# Allegro board S071AA-0413-20260427_Power3.brd (continued)
## Routing (per net, layer and track width the routed paths; a pad name or vN(x,y) marks a point on that pad's centre or on a via; arc(x,y) is an arc through that point) (continued)
; CSDPS226.C1 129,350.52 ; CSDPS226.C1 129.81,349.71 ; 195.04,388.62 D116.B4 ; D116.B4 195.85,387.81 ; D116.B4 195.85,389.43 ; D116.B4 196.66,388.62 ; UHC430.G1_2 16.88,366.26 ; UHC430.G1_2 16.07,365.45 ; UHC430.G1_2 17.69,365.45 ; UHC430.G1_2 16.88,364.64 ; D432.A16 18.05,404.67 ; D432.A16 18.86,403.86 ; D432.A16 17.24,403.86 ; D432.A16 18.05,403.05 ; D123.A15 124.73,54.15 ; D123.A15 125.54,53.34 ; D123.A15 123.92,53.34 ; D123.A15 124.73,52.53 ; D106.A3 242.38,73.66 ; D106.A3 240.76,73.66 ; D106.A3 241.57,72.85 ; D106.A3 241.57,74.47 ; D113.A5 193.31,336.09 ; D113.A5 192.5,335.28 ; D113.A5 194.12,335.28 ; D113.A5 193.31,334.47 ; UHC430.G2 47.49,361.95 ; UHC430.G2 46.68,361.14 ; UHC430.G2 46.68,362.76 ; UHC430.G2 45.87,361.95 ; D102.B14 196.66,81.28 ; D102.B14 195.04,81.28 ; D102.B14 195.85,80.47 ; D102.B14 195.85,82.09 ; 187.42,355.6 D114.A7 ; D114.A7 188.23,354.79 ; D114.A7 189.04,355.6 ; D114.A7 188.23,356.41 ; 33.29,34.75 D120.A8 ; D120.A8 33.29,36.37 ; D120.A8 34.1,35.56 ; D120.A8 32.48,35.56 ; D105.A10 260.16,96.52 ; D105.A10 259.35,95.71 ; D105.A10 259.35,97.33 ; D105.A10 258.54,96.52 ; D109.A10 255.08,332.74 ; D109.A10 254.27,331.93 ; D109.A10 254.27,333.55 ; D109.A10 253.46,332.74 ; 165.37,39.83 D104.B2 ; D104.B2 166.18,40.64 ; D104.B2 165.37,41.45 ; D104.B2 164.56,40.64 ; 200.93,39.83 D104.B16 ; D104.B16 200.12,40.64 ; D104.B16 201.74,40.64 ; D104.B16 200.93,41.45 ; 266.16,53.34 D107.A13 ; D107.A13 267.78,53.34 ; D107.A13 266.97,52.53 ; D107.A13 266.97,54.15 ; 238.22,35.56 D108.A2 ; D108.A2 239.03,34.75 ; D108.A2 239.84,35.56 ; D108.A2 239.03,36.37 ; D112.B9 257.62,391.16 ; D112.B9 256.81,390.35 ; D112.B9 256.81,391.97 ; D112.B9 256,391.16 ; CSDPS425.B10 106.95,343.71 ; CSDPS425.B10 106.14,342.9 ; CSDPS425.B10 106.95,342.09 ; CSDPS425.B10 107.76,342.9 ; 22.32,393.7 D232.A14 ; D232.A14 23.13,394.51 ; D232.A14 23.13,392.89 ; D232.A14 23.94,393.7 ; 48.17,351.79 UHC230.G3_6 ; UHC230.G3_6 48.98,352.6 ; UHC230.G3_6 49.79,351.79 ; UHC230.G3_6 48.98,350.98 ; 235.68,58.42 D107.B1 ; D107.B1 237.3,58.42 ; D107.B1 236.49,57.61 ; D107.B1 236.49,59.23 ; 274.59,331.93 D109.A2 ; D109.A2 274.59,333.55 ; D109.A2 273.78,332.74 ; D109.A2 275.4,332.74 ; 106.95,377.65 D427.B10 ; D427.B10 106.14,378.46 ; D427.B10 107.76,378.46 ; D427.B10 106.95,379.27 ; 104.41,32.21 D124.A7 ; D124.A7 103.6,33.02 ; D124.A7 104.41,33.83 ; D124.A7 105.22,33.02 ; D228.B12 101.87,389.43 ; D228.B12 102.68,388.62 ; D228.B12 101.87,387.81 ; D228.B12 101.06,388.62 ; D110.A11 252.54,355.6 ; D110.A11 250.92,355.6 ; D110.A11 251.73,356.41 ; D110.A11 251.73,354.79 ; D108.A7 251.73,33.83 ; D108.A7 250.92,33.02 ; D108.A7 251.73,32.21 ; D108.A7 252.54,33.02 ; 116.3,76.2 D122.A12 ; D122.A12 117.11,75.39 ; D122.A12 117.11,77.01 ; D122.A12 117.92,76.2 ; 245.84,93.98 D105.A5 ; D105.A5 247.46,93.98 ; D105.A5 246.65,93.17 ; D105.A5 246.65,94.79 ; 48.53,397.97 D432.B4 ; D432.B4 47.72,398.78 ; D432.B4 48.53,399.59 ; D432.B4 49.34,398.78 ; 271.24,396.24 D112.A3 ; D112.A3 272.86,396.24 ; D112.A3 272.05,397.05 ; D112.A3 272.05,395.43 ; 29.94,58.42 D119.B7 ; D119.B7 30.75,59.23 ; D119.B7 30.75,57.61 ; D119.B7 31.56,58.42 ; 42.64,398.78 D432.B6 ; D432.B6 44.26,398.78 ; D432.B6 43.45,399.59 ; D432.B6 43.45,397.97 ; D113.B13 172.99,331.01 ; D113.B13 172.99,329.39 ; D113.B13 173.8,330.2 ; D113.B13 172.18,330.2 ; D231.B12 29.02,368.3 ; D231.B12 28.21,367.49 ; D231.B12 28.21,369.11 ; D231.B12 27.4,368.3 ; D105.B6 249.19,102.41 ; D105.B6 249.19,100.79 ; D105.B6 250,101.6 ; D105.B6 248.38,101.6 ; 169.64,368.3 D115.B14 ; D115.B14 170.45,369.11 ; D115.B14 171.26,368.3 ; D115.B14 170.45,367.49 ; D107.B7 252.54,58.42 ; D107.B7 251.73,59.23 ; D107.B7 251.73,57.61 ; D107.B7 250.92,58.42 ; D106.A2 239.03,77.01 ; D106.A2 239.03,75.39 ; D106.A2 239.84,76.2 ; D106.A2 238.22,76.2 ; D428.B14 96.79,399.59 ; D428.B14 96.79,397.97 ; D428.B14 97.6,398.78 ; D428.B14 95.98,398.78 ; D432.B9 35.83,402.13 ; D432.B9 36.64,401.32 ; D432.B9 35.83,400.51 ; D432.B9 35.02,401.32 ; 116.3,81.28 D122.B12 ; D122.B12 117.92,81.28 ; D122.B12 117.11,80.47 ; D122.B12 117.11,82.09 ; 121.38,81.28 D122.B14 ; D122.B14 122.19,80.47 ; D122.B14 122.19,82.09 ; D122.B14 123,81.28 ; 104.41,395.43 D228.A11 ; D228.A11 104.41,397.05 ; D228.A11 105.22,396.24 ; D228.A11 103.6,396.24 ; 17.22,353.54 UHC230.G4_4 ; UHC230.G4_4 18.84,353.54 ; UHC230.G4_4 18.03,354.35 ; UHC230.G4_4 18.03,352.73 ; 250.92,38.1 D108.B7 ; D108.B7 251.73,38.91 ; D108.B7 251.73,37.29 ; D108.B7 252.54,38.1 ; 48.98,361.14 UHC430.G2_6 ; UHC430.G2_6 49.79,361.95 ; UHC430.G2_6 48.17,361.95 ; UHC430.G2_6 48.98,362.76 ; 187.42,58.42 D103.B11 ; D103.B11 189.04,58.42 ; D103.B11 188.23,57.61 ; D103.B11 188.23,59.23 ; 98.52,360.68 CSDPS426.C13 ; CSDPS426.C13 99.33,359.87 ; CSDPS426.C13 99.33,361.49 ; CSDPS426.C13 100.14,360.68 ; 117.11,55.07 D123.A12 ; D123.A12 117.11,56.69 ; D123.A12 117.92,55.88 ; D123.A12 116.3,55.88 ; 42.64,60.96 D119.B12 ; D119.B12 43.45,61.77 ; D119.B12 43.45,60.15 ; D119.B12 44.26,60.96 ; 47.72,35.56 D120.A14 ; D120.A14 48.53,34.75 ; D120.A14 48.53,36.37 ; D120.A14 49.34,35.56 ; 266.16,391.16 D112.B5 ; D112.B5 266.97,390.35 ; D112.B5 266.97,391.97 ; D112.B5 267.78,391.16 ; D109.A12 250,332.74 ; D109.A12 249.19,333.55 ; D109.A12 248.38,332.74 ; D109.A12 249.19,331.93 ; D106.B7 251.73,79.55 ; D106.B7 251.73,77.93 ; D106.B7 252.54,78.74 ; D106.B7 250.92,78.74 ; D119.A6 29.02,55.88 ; D119.A6 28.21,56.69 ; D119.A6 28.21,55.07 ; D119.A6 27.4,55.88 ; D111.A10 255.08,373.38 ; D111.A10 253.46,373.38 ; D111.A10 254.27,374.19 ; D111.A10 254.27,372.57 ; 124.73,395.43 D228.A3 ; D228.A3 125.54,396.24 ; D228.A3 124.73,397.05 ; D228.A3 123.92,396.24 ; 172.18,396.24 D116.A13 ; D116.A13 172.99,397.05 ; D116.A13 173.8,396.24 ; D116.A13 172.99,395.43 ; CSDPS225.B10 107.76,332.74 ; CSDPS225.B10 106.95,331.93 ; CSDPS225.B10 106.14,332.74 ; CSDPS225.B10 106.95,333.55 ; UHC430.G2_13 45.19,358.45 ; UHC430.G2_13 44.38,359.26 ; UHC430.G2_13 44.38,357.64 ; UHC430.G2_13 43.57,358.45 ; D228.B4 122.19,389.43 ; D228.B4 121.38,388.62 ; D228.B4 122.19,387.81 ; D228.B4 123,388.62 ; D231.A4 49.34,373.38 ; D231.A4 48.53,374.19 ; D231.A4 47.72,373.38 ; D231.A4 48.53,372.57 ; CSDPS429.B4 49.34,342.9 ; CSDPS429.B4 47.72,342.9 ; CSDPS429.B4 48.53,342.09 ; CSDPS429.B4 48.53,343.71 ; D103.B1 163.64,58.42 ; D103.B1 162.02,58.42 ; D103.B1 162.83,57.61 ; D103.B1 162.83,59.23 ; 251.73,98.25 D105.B7 ; D105.B7 250.92,99.06 ; D105.B7 251.73,99.87 ; D105.B7 252.54,99.06 ; 119.65,77.93 D122.B13 ; D122.B13 118.84,78.74 ; D122.B13 120.46,78.74 ; D122.B13 119.65,79.55 ; 256,396.24 D112.A9 ; D112.A9 257.62,396.24 ; D112.A9 256.81,397.05 ; D112.A9 256.81,395.43 ; D427.B9 109.49,381.81 ; D427.B9 110.3,381 ; D427.B9 108.68,381 ; D427.B9 109.49,380.19 ; D431.A8 38.37,384.35 ; D431.A8 37.56,383.54 ; D431.A8 39.18,383.54 ; D431.A8 38.37,382.73 ; 104.41,37.29 D124.B7 ; D124.B7 105.22,38.1 ; D124.B7 103.6,38.1 ; D124.B7 104.41,38.91 ; D428.B17 89.98,401.32 ; D428.B17 89.17,400.51 ; D428.B17 88.36,401.32 ; D428.B17 89.17,402.13 ; 126.46,393.7 D228.A2 ; D228.A2 127.27,394.51 ; D228.A2 127.27,392.89 ; D228.A2 128.08,393.7 ; D102.B15 198.39,79.55 ; D102.B15 199.2,78.74 ; D102.B15 198.39,77.93 ; D102.B15 197.58,78.74 ; 182.34,396.24 D116.A9 ; D116.A9 183.15,397.05 ; D116.A9 183.96,396.24 ; D116.A9 183.15,395.43 ; 116.3,332.74 CSDPS225.B6 ; CSDPS225.B6 117.92,332.74 ; CSDPS225.B6 117.11,333.55 ; CSDPS225.B6 117.11,331.93 ; D102.A6 175.53,77.01 ; D102.A6 175.53,75.39 ; D102.A6 174.72,76.2 ; D102.A6 176.34,76.2 ; D107.A15 272.86,53.34 ; D107.A15 271.24,53.34 ; D107.A15 272.05,54.15 ; D107.A15 272.05,52.53 ; 17.22,363.7 UHC430.G1_4 ; UHC430.G1_4 18.03,364.51 ; UHC430.G1_4 18.03,362.89 ; UHC430.G1_4 18.84,363.7 ; UHC430.G2_9 47.83,361.01 ; UHC430.G2_9 47.83,359.39 ; UHC430.G2_9 47.02,360.2 ; UHC430.G2_9 48.64,360.2 ; D121.B7 105.22,99.06 ; D121.B7 103.6,99.06 ; D121.B7 104.41,98.25 ; D121.B7 104.41,99.87 ; D428.A5 119.65,407.21 ; D428.A5 118.84,406.4 ; D428.A5 119.65,405.59 ; D428.A5 120.46,406.4 ; 48.53,367.49 D231.B4 ; D231.B4 47.72,368.3 ; D231.B4 49.34,368.3 ; D231.B4 48.53,369.11 ; D114.A8 186.5,353.06 ; D114.A8 185.69,353.87 ; D114.A8 185.69,352.25 ; D114.A8 184.88,353.06 ; D109.A5 266.97,336.09 ; D109.A5 266.97,334.47 ; D109.A5 267.78,335.28 ; D109.A5 266.16,335.28 ; 261.89,375.11 D111.A7 ; D111.A7 261.89,376.73 ; D111.A7 262.7,375.92 ; D111.A7 261.08,375.92 ; D432.A5 46.8,406.4 ; D432.A5 45.99,407.21 ; D432.A5 45.18,406.4 ; D432.A5 45.99,405.59 ; D119.B1 16.32,58.42 ; D119.B1 15.51,57.61 ; D119.B1 14.7,58.42 ; D119.B1 15.51,59.23 ; D116.A7 188.23,397.05 ; D116.A7 189.04,396.24 ; D116.A7 188.23,395.43 ; D116.A7 187.42,396.24 ; DPS1.C15 272.05,19.86 ; DPS1.C15 271.24,19.05 ; DPS1.C15 272.05,18.24 ; DPS1.C15 272.86,19.05 ; 106.14,373.38 D227.A10 ; D227.A10 106.95,372.57 ; D227.A10 107.76,373.38 ; D227.A10 106.95,374.19 ; 246.65,72.85 D106.A5 ; D106.A5 246.65,74.47 ; D106.A5 247.46,73.66 ; D106.A5 245.84,73.66 ; D231.B3 51.88,370.84 ; D231.B3 50.26,370.84 ; D231.B3 51.07,371.65 ; D231.B3 51.07,370.03 ; D227.B13 99.33,371.65 ; D227.B13 100.14,370.84 ; D227.B13 98.52,370.84 ; D227.B13 99.33,370.03 ; 180.61,367.49 D115.B10 ; D115.B10 181.42,368.3 ; D115.B10 180.61,369.11 ; D115.B10 179.8,368.3 ; 53.61,342.09 CSDPS429.B2 ; CSDPS429.B2 53.61,343.71 ; CSDPS429.B2 52.8,342.9 ; CSDPS429.B2 54.42,342.9 ; D123.A3 95.06,53.34 ; D123.A3 94.25,54.15 ; D123.A3 93.44,53.34 ; D123.A3 94.25,52.53 ; D121.B12 117.92,101.6 ; D121.B12 116.3,101.6 ; D121.B12 117.11,100.79 ; D121.B12 117.11,102.41 ; D113.A9 183.96,335.28 ; D113.A9 182.34,335.28 ; D113.A9 183.15,336.09 ; D113.A9 183.15,334.47 ; 103.6,93.98 D121.A7 ; D121.A7 105.22,93.98 ; D121.A7 104.41,93.17 ; D121.A7 104.41,94.79 ; D427.B12 102.68,378.46 ; D427.B12 101.87,379.27 ; D427.B12 101.06,378.46 ; D427.B12 101.87,377.65 ; 90.9,373.38 D227.A16 ; D227.A16 91.71,372.57 ; D227.A16 92.52,373.38 ; D227.A16 91.71,374.19 ; 89.17,375.11 D227.A17 ; D227.A17 88.36,375.92 ; D227.A17 89.17,376.73 ; D227.A17 89.98,375.92 ; 271.24,93.98 D105.A15 ; D105.A15 272.05,93.17 ; D105.A15 272.05,94.79 ; D105.A15 272.86,93.98 ; 197.58,53.34 D103.A15 ; D103.A15 198.39,52.53 ; D103.A15 198.39,54.15 ; D103.A15 199.2,53.34 ; D103.A16 200.93,56.69 ; D103.A16 200.93,55.07 ; D103.A16 201.74,55.88 ; D103.A16 200.12,55.88 ; 245.84,58.42 D107.B5 ; D107.B5 247.46,58.42 ; D107.B5 246.65,59.23 ; D107.B5 246.65,57.61 ; 121.38,96.52 D121.A14 ; D121.A14 123,96.52 ; D121.A14 122.19,97.33 ; D121.A14 122.19,95.71 ; D124.A9 109.49,33.83 ; D124.A9 108.68,33.02 ; D124.A9 110.3,33.02 ; D124.A9 109.49,32.21 ; 42.64,393.7 D232.A6 ; D232.A6 43.45,394.51 ; D232.A6 43.45,392.89 ; D232.A6 44.26,393.7 ; 40.91,395.43 D232.A7 ; D232.A7 40.1,396.24 ; D232.A7 41.72,396.24 ; D232.A7 40.91,397.05 ; UHC430.G2_8 45.19,361.95 ; UHC430.G2_8 43.57,361.95 ; UHC430.G2_8 44.38,362.76 ; UHC430.G2_8 44.38,361.14 ; 256,78.74 D106.B9 ; D106.B9 256.81,79.55 ; D106.B9 257.62,78.74 ; D106.B9 256.81,77.93 ; D232.A16 18.05,394.51 ; D232.A16 17.24,393.7 ; D232.A16 18.05,392.89 ; D232.A16 18.86,393.7 ; DPS2.C11 178.88,410.21 ; DPS2.C11 178.07,411.02 ; DPS2.C11 177.26,410.21 ; DPS2.C11 178.07,409.4 ; 246.65,52.53 D107.A5 ; D107.A5 245.84,53.34 ; D107.A5 247.46,53.34 ; D107.A5 246.65,54.15 ; D119.A8 33.29,56.69 ; D119.A8 33.29,55.07 ; D119.A8 32.48,55.88 ; D119.A8 34.1,55.88 ; 241.57,98.25 D105.B3 ; D105.B3 240.76,99.06 ; D105.B3 242.38,99.06 ; D105.B3 241.57,99.87 ; 193.31,414.48 DPS2.A05 ; DPS2.A05 192.5,415.29 ; DPS2.A05 193.31,416.1 ; DPS2.A05 194.12,415.29 ; D432.B2 54.42,398.78 ; D432.B2 52.8,398.78 ; D432.B2 53.61,397.97 ; D432.B2 53.61,399.59 ; D114.B16 166.18,347.98 ; D114.B16 165.37,348.79 ; D114.B16 164.56,347.98 ; D114.B16 165.37,347.17 ; 240.76,33.02 D108.A3 ; D108.A3 242.38,33.02 ; D108.A3 241.57,32.21 ; D108.A3 241.57,33.83 ; D112.A7 262.7,396.24 ; D112.A7 261.89,397.05 ; D112.A7 261.08,396.24 ; D112.A7 261.89,395.43 ; 52.8,35.56 D120.A16 ; D120.A16 54.42,35.56 ; D120.A16 53.61,34.75 ; D120.A16 53.61,36.37 ; 37.56,373.38 D231.A8 ; D231.A8 38.37,374.19 ; D231.A8 39.18,373.38 ; D231.A8 38.37,372.57 ; D109.A7 262.7,335.28 ; D109.A7 261.08,335.28 ; D109.A7 261.89,336.09 ; D109.A7 261.89,334.47 ; D109.A14 244.11,333.55 ; D109.A14 244.92,332.74 ; D109.A14 244.11,331.93 ; D109.A14 243.3,332.74 ; 172.18,335.28 D113.A13 ; D113.A13 173.8,335.28 ; D113.A13 172.99,334.47 ; D113.A13 172.99,336.09 ; 56.15,329.39 CSDPS229.C1 ; CSDPS229.C1 56.15,331.01 ; CSDPS229.C1 56.96,330.2 ; CSDPS229.C1 55.34,330.2 ; 45.18,381 D431.B5 ; D431.B5 45.99,380.19 ; D431.B5 46.8,381 ; D431.B5 45.99,381.81 ; D111.B13 246.65,371.65 ; D111.B13 245.84,370.84 ; D111.B13 247.46,370.84 ; D111.B13 246.65,370.03 ; 19.78,73.66 D118.A3 ; D118.A3 21.4,73.66 ; D118.A3 20.59,74.47 ; D118.A3 20.59,72.85 ; 113.76,330.2 CSDPS225.C7 ; CSDPS225.C7 114.57,329.39 ; CSDPS225.C7 115.38,330.2 ; CSDPS225.C7 114.57,331.01 ; UHC230.G3_2 46.68,356.1 ; UHC230.G3_2 46.68,354.48 ; UHC230.G3_2 47.49,355.29 ; UHC230.G3_2 45.87,355.29 ; 250.92,330.2 D109.B11 ; D109.B11 252.54,330.2 ; D109.B11 251.73,329.39 ; D109.B11 251.73,331.01 ; 200.93,80.47 D102.B16 ; D102.B16 200.93,82.09 ; D102.B16 201.74,81.28 ; D102.B16 200.12,81.28 ; CSDPS226.C15 95.06,350.52 ; CSDPS226.C15 93.44,350.52 ; CSDPS226.C15 94.25,351.33 ; CSDPS226.C15 94.25,349.71 ; 119.65,32.21 D124.A13 ; D124.A13 118.84,33.02 ; D124.A13 119.65,33.83 ; D124.A13 120.46,33.02 ; D431.A10 33.29,384.35 ; D431.A10 33.29,382.73 ; D431.A10 34.1,383.54 ; D431.A10 32.48,383.54 ; 256.81,57.61 D107.B9 ; D107.B9 256,58.42 ; D107.B9 257.62,58.42 ; D107.B9 256.81,59.23 ; 19.78,401.32 D432.B15 ; D432.B15 20.59,402.13 ; D432.B15 20.59,400.51 ; D432.B15 21.4,401.32 ; D110.B10 255.08,347.98 ; D110.B10 254.27,347.17 ; D110.B10 254.27,348.79 ; D110.B10 253.46,347.98 ; D431.A16 18.05,384.35 ; D431.A16 18.05,382.73 ; D431.A16 18.86,383.54 ; D431.A16 17.24,383.54 ; D114.B8 185.69,348.79 ; D114.B8 185.69,347.17 ; D114.B8 186.5,347.98 ; D114.B8 184.88,347.98 ; 108.68,38.1 D124.B9 ; D124.B9 109.49,38.91 ; D124.B9 110.3,38.1 ; D124.B9 109.49,37.29 ; 124.73,400.51 D428.B3 ; D428.B3 123.92,401.32 ; D428.B3 124.73,402.13 ; D428.B3 125.54,401.32 ; D232.A12 28.21,394.51 ; D232.A12 28.21,392.89 ; D232.A12 27.4,393.7 ; D232.A12 29.02,393.7 ; D121.A3 94.25,94.79 ; D121.A3 94.25,93.17 ; D121.A3 95.06,93.98 ; D121.A3 93.44,93.98 ; 114.57,93.17 D121.A11 ; D121.A11 114.57,94.79 ; D121.A11 115.38,93.98 ; D121.A11 113.76,93.98 ; D105.B4 244.11,102.41 ; D105.B4 244.11,100.79 ; D105.B4 243.3,101.6 ; D105.B4 244.92,101.6 ; D103.A2 165.37,56.69 ; D103.A2 165.37,55.07 ; D103.A2 166.18,55.88 ; D103.A2 164.56,55.88 ; 266.97,349.71 D110.B5 ; D110.B5 266.16,350.52 ; D110.B5 267.78,350.52 ; D110.B5 266.97,351.33 ; D102.A12 190.77,77.01 ; D102.A12 190.77,75.39 ; D102.A12 191.58,76.2 ; D102.A12 189.96,76.2 ; D113.A1 204.28,335.28 ; D113.A1 203.47,334.47 ; D113.A1 203.47,336.09 ; D113.A1 202.66,335.28 ; D431.B6 44.26,378.46 ; D431.B6 43.45,377.65 ; D431.B6 42.64,378.46 ; D431.B6 43.45,379.27 ; D112.B1 277.94,391.16 ; D112.B1 277.13,391.97 ; D112.B1 277.13,390.35 ; D112.B1 276.32,391.16 ; CSDPS226.B14 96.79,353.87 ; CSDPS226.B14 95.98,353.06 ; CSDPS226.B14 96.79,352.25 ; CSDPS226.B14 97.6,353.06 ; D113.A10 180.61,333.55 ; D113.A10 181.42,332.74 ; D113.A10 179.8,332.74 ; D113.A10 180.61,331.93 ; D107.B8 255.08,60.96 ; D107.B8 253.46,60.96 ; D107.B8 254.27,61.77 ; D107.B8 254.27,60.15 ; D121.B2 92.52,101.6 ; D121.B2 90.9,101.6 ; D121.B2 91.71,100.79 ; D121.B2 91.71,102.41 ; 119.65,52.53 D123.A13 ; D123.A13 118.84,53.34 ; D123.A13 119.65,54.15 ; D123.A13 120.46,53.34 ; UHC430.G1_10 16.54,360.2 ; UHC430.G1_10 15.73,359.39 ; UHC430.G1_10 14.92,360.2 ; UHC430.G1_10 15.73,361.01 ; D111.B10 254.27,369.11 ; D111.B10 253.46,368.3 ; D111.B10 255.08,368.3 ; D111.B10 254.27,367.49 ; 251.73,390.35 D112.B11 ; D112.B11 250.92,391.16 ; D112.B11 251.73,391.97 ; D112.B11 252.54,391.16 ; D108.B6 250,40.64 ; D108.B6 249.19,41.45 ; D108.B6 249.19,39.83 ; D108.B6 248.38,40.64 ; D432.A13 25.67,407.21 ; D432.A13 26.48,406.4 ; D432.A13 25.67,405.59 ; D432.A13 24.86,406.4 ; 95.98,81.28 D122.B4 ; D122.B4 97.6,81.28 ; D122.B4 96.79,80.47 ; D122.B4 96.79,82.09 ; 43.45,34.75 D120.A12 ; D120.A12 43.45,36.37 ; D120.A12 42.64,35.56 ; D120.A12 44.26,35.56 ; 51.07,57.61 D119.B15 ; D119.B15 50.26,58.42 ; D119.B15 51.07,59.23 ; D119.B15 51.88,58.42 ; 113.76,375.92 D227.A7 ; D227.A7 115.38,375.92 ; D227.A7 114.57,375.11 ; D227.A7 114.57,376.73 ; 99.33,37.29 D124.B5 ; D124.B5 99.33,38.91 ; D124.B5 100.14,38.1 ; D124.B5 98.52,38.1 ; D109.B13 247.46,330.2 ; D109.B13 245.84,330.2 ; D109.B13 246.65,331.01 ; D109.B13 246.65,329.39 ; D113.B15 167.91,331.01 ; D113.B15 167.1,330.2 ; D113.B15 167.91,329.39 ; D113.B15 168.72,330.2 ; 96.79,331.93 CSDPS225.B14 ; CSDPS225.B14 96.79,333.55 ; CSDPS225.B14 95.98,332.74 ; CSDPS225.B14 97.6,332.74 ; D124.B6 102.68,40.64 ; D124.B6 101.87,41.45 ; D124.B6 101.87,39.83 ; D124.B6 101.06,40.64 ; D119.B2 18.86,60.96 ; D119.B2 18.05,60.15 ; D119.B2 17.24,60.96 ; D119.B2 18.05,61.77 ; D116.B9 183.15,391.97 ; D116.B9 183.15,390.35 ; D116.B9 182.34,391.16 ; D116.B9 183.96,391.16 ; D107.A11 262.7,53.34 ; D107.A11 261.08,53.34 ; D107.A11 261.89,52.53 ; D107.A11 261.89,54.15 ; 113.76,58.42 D123.B11 ; D123.B11 114.57,57.61 ; D123.B11 115.38,58.42 ; D123.B11 114.57,59.23 ; D113.A12 175.53,333.55 ; D113.A12 176.34,332.74 ; D113.A12 175.53,331.93 ; D113.A12 174.72,332.74 ; 32.48,403.86 D432.A10 ; D432.A10 33.29,404.67 ; D432.A10 34.1,403.86 ; D432.A10 33.29,403.05 ; CSDPS429.B12 29.02,342.9 ; CSDPS429.B12 28.21,343.71 ; CSDPS429.B12 27.4,342.9 ; CSDPS429.B12 28.21,342.09 ; D228.B9 110.3,391.16 ; D228.B9 108.68,391.16 ; D228.B9 109.49,391.97 ; D228.B9 109.49,390.35 ; D113.B10 181.42,327.66 ; D113.B10 180.61,326.85 ; D113.B10 180.61,328.47 ; D113.B10 179.8,327.66 ; D115.A9 183.96,375.92 ; D115.A9 183.15,375.11 ; D115.A9 183.15,376.73 ; D115.A9 182.34,375.92 ; D103.A12 190.77,56.69 ; D103.A12 189.96,55.88 ; D103.A12 191.58,55.88 ; D103.A12 190.77,55.07 ; D114.B12 175.53,348.79 ; D114.B12 176.34,347.98 ; D114.B12 175.53,347.17 ; D114.B12 174.72,347.98 ; D427.A6 117.92,383.54 ; D427.A6 117.11,384.35 ; D427.A6 117.11,382.73 ; D427.A6 116.3,383.54 ; 258.54,393.7 D112.A8 ; D112.A8 259.35,392.89 ; D112.A8 260.16,393.7 ; D112.A8 259.35,394.51 ; D114.B3 198.39,351.33 ; D114.B3 198.39,349.71 ; D114.B3 197.58,350.52 ; D114.B3 199.2,350.52 ; 25.67,380.19 D431.B13 ; D431.B13 26.48,381 ; D431.B13 25.67,381.81 ; D431.B13 24.86,381 ; D108.B3 241.57,38.91 ; D108.B3 241.57,37.29 ; D108.B3 242.38,38.1 ; D108.B3 240.76,38.1 ; 200.93,372.57 D115.A2 ; D115.A2 200.93,374.19 ; D115.A2 201.74,373.38 ; D115.A2 200.12,373.38 ; D228.B8 112.03,389.43 ; D228.B8 112.84,388.62 ; D228.B8 112.03,387.81 ; D228.B8 111.22,388.62 ; 37.56,342.9 CSDPS429.B8 ; CSDPS429.B8 39.18,342.9 ; CSDPS429.B8 38.37,343.71 ; CSDPS429.B8 38.37,342.09 ; D232.A1 56.15,397.05 ; D232.A1 56.96,396.24 ; D232.A1 55.34,396.24 ; D232.A1 56.15,395.43 ; 47.02,353.54 UHC230.G3_4 ; UHC230.G3_4 47.83,352.73 ; UHC230.G3_4 47.83,354.35 ; UHC230.G3_4 48.64,353.54 ; 106.95,39.83 D124.B8 ; D124.B8 107.76,40.64 ; D124.B8 106.95,41.45 ; D124.B8 106.14,40.64 ; 45.99,409.4 DPS8.C05 ; DPS8.C05 46.8,410.21 ; DPS8.C05 45.99,411.02 ; DPS8.C05 45.18,410.21 ; 240.76,53.34 D107.A3 ; D107.A3 241.57,54.15 ; D107.A3 241.57,52.53 ; D107.A3 242.38,53.34 ; 45.18,58.42 D119.B13 ; D119.B13 45.99,59.23 ; D119.B13 46.8,58.42 ; D119.B13 45.99,57.61 ; D427.A17 89.98,386.08 ; D427.A17 88.36,386.08 ; D427.A17 89.17,385.27 ; D427.A17 89.17,386.89 ; 254.27,75.39 D106.A8 ; D106.A8 254.27,77.01 ; D106.A8 253.46,76.2 ; D106.A8 255.08,76.2 ; D106.A10 260.16,76.2 ; D106.A10 258.54,76.2 ; D106.A10 259.35,75.39 ; D106.A10 259.35,77.01 ; D110.B4 270.32,347.98 ; D110.B4 269.51,347.17 ; D110.B4 269.51,348.79 ; D110.B4 268.7,347.98 ; 124.73,93.17 D121.A15 ; D121.A15 123.92,93.98 ; D121.A15 125.54,93.98 ; D121.A15 124.73,94.79 ; D102.A9 183.15,74.47 ; D102.A9 183.15,72.85 ; D102.A9 183.96,73.66 ; D102.A9 182.34,73.66 ; D111.B1 277.13,371.65 ; D111.B1 277.94,370.84 ; D111.B1 276.32,370.84 ; D111.B1 277.13,370.03 ; 261.08,355.6 D110.A7 ; D110.A7 262.7,355.6 ; D110.A7 261.89,354.79 ; D110.A7 261.89,356.41 ; 119.65,329.39 CSDPS225.C5 ; CSDPS225.C5 120.46,330.2 ; CSDPS225.C5 119.65,331.01 ; CSDPS225.C5 118.84,330.2 ; 114.57,380.19 D427.B7 ; D427.B7 115.38,381 ; D427.B7 114.57,381.81 ; D427.B7 113.76,381 ; D427.B3 125.54,381 ; D427.B3 124.73,381.81 ; D427.B3 123.92,381 ; D427.B3 124.73,380.19 ; 167.91,349.71 D114.B15 ; D114.B15 167.91,351.33 ; D114.B15 168.72,350.52 ; D114.B15 167.1,350.52 ; 51.07,37.29 D120.B15 ; D120.B15 51.07,38.91 ; D120.B15 50.26,38.1 ; D120.B15 51.88,38.1 ; D116.A14 170.45,394.51 ; D116.A14 171.26,393.7 ; D116.A14 170.45,392.89 ; D116.A14 169.64,393.7 ; D228.B2 128.08,388.62 ; D228.B2 127.27,387.81 ; D228.B2 127.27,389.43 ; D228.B2 126.46,388.62 ; 277.13,334.47 D109.A1 ; D109.A1 277.94,335.28 ; D109.A1 277.13,336.09 ; D109.A1 276.32,335.28 ; D122.B5 100.14,78.74 ; D122.B5 99.33,77.93 ; D122.B5 98.52,78.74 ; D122.B5 99.33,79.55 ; 22.32,368.3 D231.B14 ; D231.B14 23.13,367.49 ; D231.B14 23.94,368.3 ; D231.B14 23.13,369.11 ; UHC430.G2_1 49.79,365.45 ; UHC430.G2_1 48.98,364.64 ; UHC430.G2_1 48.98,366.26 ; UHC430.G2_1 48.17,365.45 ; D431.A12 28.21,384.35 ; D431.A12 27.4,383.54 ; D431.A12 29.02,383.54 ; D431.A12 28.21,382.73 ; 122.19,403.05 D428.A4 ; D428.A4 121.38,403.86 ; D428.A4 123,403.86 ; D428.A4 122.19,404.67 ; D431.B1 56.96,381 ; D431.B1 56.15,380.19 ; D431.B1 55.34,381 ; D431.B1 56.15,381.81 ; D110.B15 242.38,350.52 ; D110.B15 241.57,349.71 ; D110.B15 241.57,351.33 ; D110.B15 240.76,350.52 ; 266.16,93.98 D105.A13 ; D105.A13 267.78,93.98 ; D105.A13 266.97,94.79 ; D105.A13 266.97,93.17 ; 193.31,390.35 D116.B5 ; D116.B5 194.12,391.16 ; D116.B5 192.5,391.16 ; D116.B5 193.31,391.97 ; DPS8.A11 31.56,415.29 ; DPS8.A11 29.94,415.29 ; DPS8.A11 30.75,414.48 ; DPS8.A11 30.75,416.1 ; 89.17,380.19 D427.B17 ; D427.B17 89.17,381.81 ; D427.B17 89.98,381 ; D427.B17 88.36,381 ; D109.A15 242.38,335.28 ; D109.A15 241.57,334.47 ; D109.A15 240.76,335.28 ; D109.A15 241.57,336.09 ; 16.07,355.29 UHC230.G4_2 ; UHC230.G4_2 16.88,356.1 ; UHC230.G4_2 17.69,355.29 ; UHC230.G4_2 16.88,354.48 ; 167.91,77.93 D102.B3 ; D102.B3 168.72,78.74 ; D102.B3 167.1,78.74 ; D102.B3 167.91,79.55 ; D116.A4 195.85,394.51 ; D116.A4 196.66,393.7 ; D116.A4 195.04,393.7 ; D116.A4 195.85,392.89 ; 123.92,406.4 D428.A3 ; D428.A3 125.54,406.4 ; D428.A3 124.73,407.21 ; D428.A3 124.73,405.59 ; D109.B15 242.38,330.2 ; D109.B15 241.57,331.01 ; D109.B15 240.76,330.2 ; D109.B15 241.57,329.39 ; 23.13,382.73 D431.A14 ; D431.A14 23.13,384.35 ; D431.A14 23.94,383.54 ; D431.A14 22.32,383.54 ; 178.07,411.94 DPS2.B11 ; DPS2.B11 178.07,413.56 ; DPS2.B11 178.88,412.75 ; DPS2.B11 177.26,412.75 ; D427.B1 130.62,381 ; D427.B1 129,381 ; D427.B1 129.81,380.19 ; D427.B1 129.81,381.81 ; 20.59,375.11 D231.A15 ; D231.A15 20.59,376.73 ; D231.A15 21.4,375.92 ; D231.A15 19.78,375.92 ; D432.A12 29.02,403.86 ; D432.A12 27.4,403.86 ; D432.A12 28.21,404.67 ; D432.A12 28.21,403.05 ; 33.29,377.65 D431.B10 ; D431.B10 34.1,378.46 ; D431.B10 33.29,379.27 ; D431.B10 32.48,378.46 ; 16.88,350.98 UHC230.G4 ; UHC230.G4 16.07,351.79 ; UHC230.G4 17.69,351.79 ; UHC230.G4 16.88,352.6 ; 48.17,358.45 UHC430.G2_11 ; UHC430.G2_11 49.79,358.45 ; UHC430.G2_11 48.98,357.64 ; UHC430.G2_11 48.98,359.26 ; DPS8.A05 45.99,416.1 ; DPS8.A05 45.18,415.29 ; DPS8.A05 46.8,415.29 ; DPS8.A05 45.99,414.48 ; D116.A8 186.5,393.7 ; D116.A8 184.88,393.7 ; D116.A8 185.69,392.89 ; D116.A8 185.69,394.51 ; 177.26,375.92 D115.A11 ; D115.A11 178.88,375.92 ; D115.A11 178.07,376.73 ; D115.A11 178.07,375.11 ; D102.A2 165.37,77.01 ; D102.A2 164.56,76.2 ; D102.A2 165.37,75.39 ; D102.A2 166.18,76.2 ; D103.B4 170.45,61.77 ; D103.B4 169.64,60.96 ; D103.B4 170.45,60.15 ; D103.B4 171.26,60.96 ; 123.92,386.08 D427.A3 ; D427.A3 124.73,385.27 ; D427.A3 125.54,386.08 ; D427.A3 124.73,386.89 ; D105.B2 239.84,101.6 ; D105.B2 239.03,100.79 ; D105.B2 239.03,102.41 ; D105.B2 238.22,101.6 ; 32.48,60.96 D119.B8 ; D119.B8 33.29,60.15 ; D119.B8 33.29,61.77 ; D119.B8 34.1,60.96 ; 98.52,19.05 DPS3.C05 ; DPS3.C05 100.14,19.05 ; DPS3.C05 99.33,19.86 ; DPS3.C05 99.33,18.24 ; D232.B5 46.8,391.16 ; D232.B5 45.99,391.97 ; D232.B5 45.99,390.35 ; D232.B5 45.18,391.16 ; 111.22,353.06 CSDPS226.B8 ; CSDPS226.B8 112.84,353.06 ; CSDPS226.B8 112.03,353.87 ; CSDPS226.B8 112.03,352.25 ; 16.88,357.64 UHC430.G1_12 ; UHC430.G1_12 16.88,359.26 ; UHC430.G1_12 17.69,358.45 ; UHC430.G1_12 16.07,358.45 ; D114.A2 201.74,353.06 ; D114.A2 200.12,353.06 ; D114.A2 200.93,353.87 ; D114.A2 200.93,352.25 ; CSDPS425.B8 112.03,343.71 ; CSDPS425.B8 112.03,342.09 ; CSDPS425.B8 111.22,342.9 ; CSDPS425.B8 112.84,342.9 ; D120.B16 53.61,41.45 ; D120.B16 52.8,40.64 ; D120.B16 53.61,39.83 ; D120.B16 54.42,40.64 ; 29.94,386.08 D431.A11 ; D431.A11 30.75,386.89 ; D431.A11 31.56,386.08 ; D431.A11 30.75,385.27 ; CSDPS229.B12 28.21,333.55 ; CSDPS229.B12 28.21,331.93 ; CSDPS229.B12 27.4,332.74 ; CSDPS229.B12 29.02,332.74 ; D102.B1 163.64,78.74 ; D102.B1 162.83,79.55 ; D102.B1 162.83,77.93 ; D102.B1 162.02,78.74 ; D103.B7 178.88,58.42 ; D103.B7 178.07,57.61 ; D103.B7 177.26,58.42 ; D103.B7 178.07,59.23 ; 192.5,355.6 D114.A5 ; D114.A5 193.31,354.79 ; D114.A5 194.12,355.6 ; D114.A5 193.31,356.41 ; D108.B8 255.08,40.64 ; D108.B8 254.27,39.83 ; D108.B8 254.27,41.45 ; D108.B8 253.46,40.64 ; 167.1,355.6 D114.A15 ; D114.A15 168.72,355.6 ; D114.A15 167.91,356.41 ; D114.A15 167.91,354.79 ; D228.A6 117.92,393.7 ; D228.A6 117.11,394.51 ; D228.A6 117.11,392.89 ; D228.A6 116.3,393.7 ; D108.A1 236.49,33.83 ; D108.A1 236.49,32.21 ; D108.A1 237.3,33.02 ; D108.A1 235.68,33.02 ; 106.95,55.07 D123.A8 ; D123.A8 106.14,55.88 ; D123.A8 106.95,56.69 ; D123.A8 107.76,55.88 ; D432.A3 51.07,407.21 ; D432.A3 51.88,406.4 ; D432.A3 50.26,406.4 ; D432.A3 51.07,405.59 ; 40.1,53.34 D119.A11 ; D119.A11 40.91,52.53 ; D119.A11 41.72,53.34 ; D119.A11 40.91,54.15 ; 24.86,73.66 D118.A5 ; D118.A5 25.67,72.85 ; D118.A5 26.48,73.66 ; D118.A5 25.67,74.47 ; 55.34,410.21 DPS8.C01 ; DPS8.C01 56.96,410.21 ; DPS8.C01 56.15,409.4 ; DPS8.C01 56.15,411.02 ; D428.B6 117.92,398.78 ; D428.B6 116.3,398.78 ; D428.B6 117.11,399.59 ; D428.B6 117.11,397.97 ; D103.A14 195.85,56.69 ; D103.A14 195.85,55.07 ; D103.A14 196.66,55.88 ; D103.A14 195.04,55.88 ; 167.1,58.42 D103.B3 ; D103.B3 168.72,58.42 ; D103.B3 167.91,57.61 ; D103.B3 167.91,59.23 ; D104.A4 170.45,36.37 ; D104.A4 170.45,34.75 ; D104.A4 171.26,35.56 ; D104.A4 169.64,35.56 ; CSDPS225.B4 122.19,333.55 ; CSDPS225.B4 123,332.74 ; CSDPS225.B4 122.19,331.93 ; CSDPS225.B4 121.38,332.74 ; 42.64,368.3 D231.B6 ; D231.B6 44.26,368.3 ; D231.B6 43.45,369.11 ; D231.B6 43.45,367.49 ; D112.A14 244.92,393.7 ; D112.A14 243.3,393.7 ; D112.A14 244.11,394.51 ; D112.A14 244.11,392.89 ; D120.A7 30.75,33.83 ; D120.A7 30.75,32.21 ; D120.A7 29.94,33.02 ; D120.A7 31.56,33.02 ; D106.A13 267.78,73.66 ; D106.A13 266.16,73.66 ; D106.A13 266.97,72.85 ; D106.A13 266.97,74.47 ; 99.33,93.17 D121.A5 ; D121.A5 100.14,93.98 ; D121.A5 99.33,94.79 ; D121.A5 98.52,93.98 ; D119.B14 48.53,61.77 ; D119.B14 49.34,60.96 ; D119.B14 48.53,60.15 ; D119.B14 47.72,60.96 ; 20.59,409.4 DPS8.C15 ; DPS8.C15 19.78,410.21 ; DPS8.C15 20.59,411.02 ; DPS8.C15 21.4,410.21 ; 188.23,32.21 D104.A11 ; D104.A11 189.04,33.02 ; D104.A11 188.23,33.83 ; D104.A11 187.42,33.02 ; D427.B4 122.19,379.27 ; D427.B4 122.19,377.65 ; D427.B4 121.38,378.46 ; D427.B4 123,378.46 ; 91.71,342.09 CSDPS425.B16 ; CSDPS425.B16 92.52,342.9 ; CSDPS425.B16 91.71,343.71 ; CSDPS425.B16 90.9,342.9 ; 45.87,365.45 UHC430.G2_2 ; UHC430.G2_2 47.49,365.45 ; UHC430.G2_2 46.68,366.26 ; UHC430.G2_2 46.68,364.64 ; D120.A5 25.67,33.83 ; D120.A5 25.67,32.21 ; D120.A5 24.86,33.02 ; D120.A5 26.48,33.02 ; D114.A13 172.99,356.41 ; D114.A13 172.99,354.79 ; D114.A13 173.8,355.6 ; D114.A13 172.18,355.6 ; 191.58,96.52 D101.A12 190.77,95.71 ; D109.B7 262.7,330.2 ; D109.B7 261.89,329.39 ; D109.B7 261.89,331.01 ; D109.B7 261.08,330.2 ; 33.29,367.49 D231.B10 ; D231.B10 32.48,368.3 ; D231.B10 34.1,368.3 ; D231.B10 33.29,369.11 ; CSDPS229.B2 54.42,332.74 ; CSDPS229.B2 53.61,331.93 ; CSDPS229.B2 52.8,332.74 ; CSDPS229.B2 53.61,333.55 ; D432.A14 23.13,404.67 ; D432.A14 23.94,403.86 ; D432.A14 23.13,403.05 ; D432.A14 22.32,403.86 ; D104.A7 178.88,33.02 ; D104.A7 177.26,33.02 ; D104.A7 178.07,33.83 ; D104.A7 178.07,32.21 ; 111.22,378.46 D427.B8 ; D427.B8 112.84,378.46 ; D427.B8 112.03,379.27 ; D427.B8 112.03,377.65 ; 195.85,34.75 D104.A14 ; D104.A14 195.85,36.37 ; D104.A14 195.04,35.56 ; D104.A14 196.66,35.56 ; D103.B13 193.31,59.23 ; D103.B13 193.31,57.61 ; D103.B13 192.5,58.42 ; D103.B13 194.12,58.42 ; CSDPS226.C7 114.57,351.33 ; CSDPS226.C7 113.76,350.52 ; CSDPS226.C7 114.57,349.71 ; CSDPS226.C7 115.38,350.52 ; D431.A17 16.32,386.08 ; D431.A17 15.51,385.27 ; D431.A17 14.7,386.08 ; D431.A17 15.51,386.89 ; D104.A8 180.61,36.37 ; D104.A8 181.42,35.56 ; D104.A8 180.61,34.75 ; D104.A8 179.8,35.56 ; 175.53,392.89 D116.A12 ; D116.A12 174.72,393.7 ; D116.A12 176.34,393.7 ; D116.A12 175.53,394.51 ; 55.34,406.4 D432.A1 ; D432.A1 56.15,405.59 ; D432.A1 56.96,406.4 ; D432.A1 56.15,407.21 ; DPS2.B15 168.72,412.75 ; DPS2.B15 167.91,413.56 ; DPS2.B15 167.91,411.94 ; DPS2.B15 167.1,412.75 ; 126.46,81.28 D122.B16 ; D122.B16 128.08,81.28 ; D122.B16 127.27,80.47 ; D122.B16 127.27,82.09 ; D102.A5 172.99,74.47 ; D102.A5 172.99,72.85 ; D102.A5 173.8,73.66 ; D102.A5 172.18,73.66 ; 55.34,375.92 D231.A1 ; D231.A1 56.15,375.11 ; D231.A1 56.15,376.73 ; D231.A1 56.96,375.92 ; D111.B7 262.7,370.84 ; D111.B7 261.89,371.65 ; D111.B7 261.89,370.03 ; D111.B7 261.08,370.84 ; 23.13,377.65 D431.B14 ; D431.B14 23.13,379.27 ; D431.B14 22.32,378.46 ; D431.B14 23.94,378.46 ; D103.A5 173.8,53.34 ; D103.A5 172.18,53.34 ; D103.A5 172.99,52.53 ; D103.A5 172.99,54.15 ; D102.B13 193.31,79.55 ; D102.B13 194.12,78.74 ; D102.B13 193.31,77.93 ; D102.B13 192.5,78.74 ; D121.B9 109.49,99.87 ; D121.B9 109.49,98.25 ; D121.B9 110.3,99.06 ; D121.B9 108.68,99.06 ; D122.A13 120.46,73.66 ; D122.A13 119.65,74.47 ; D122.A13 118.84,73.66 ; D122.A13 119.65,72.85 ; 264.43,331.93 D109.A6 ; D109.A6 263.62,332.74 ; D109.A6 265.24,332.74 ; D109.A6 264.43,333.55 ; 167.1,375.92 D115.A15 ; D115.A15 167.91,376.73 ; D115.A15 168.72,375.92 ; D115.A15 167.91,375.11 ; D227.A5 120.46,375.92 ; D227.A5 119.65,375.11 ; D227.A5 118.84,375.92 ; D227.A5 119.65,376.73 ; D109.A16 239.03,333.55 ; D109.A16 238.22,332.74 ; D109.A16 239.03,331.93 ; D109.A16 239.84,332.74 ; 274.59,326.85 D109.B2 ; D109.B2 275.4,327.66 ; D109.B2 274.59,328.47 ; D109.B2 273.78,327.66 ; 269.51,55.07 D107.A14 ; D107.A14 269.51,56.69 ; D107.A14 268.7,55.88 ; D107.A14 270.32,55.88 ; D232.A5 46.8,396.24 ; D232.A5 45.99,397.05 ; D232.A5 45.99,395.43 ; D232.A5 45.18,396.24 ; D112.B13 246.65,391.97 ; D112.B13 247.46,391.16 ; D112.B13 245.84,391.16 ; D112.B13 246.65,390.35 ; 114.57,385.27 D427.A7 ; D427.A7 113.76,386.08 ; D427.A7 115.38,386.08 ; D427.A7 114.57,386.89 ; D107.B14 270.32,60.96 ; D107.B14 269.51,61.77 ; D107.B14 268.7,60.96 ; D107.B14 269.51,60.15 ; D232.B17 15.51,391.97 ; D232.B17 15.51,390.35 ; D232.B17 16.32,391.16 ; D232.B17 14.7,391.16 ; D122.A14 122.19,77.01 ; D122.A14 121.38,76.2 ; D122.A14 122.19,75.39 ; D122.A14 123,76.2 ; D123.B5 100.14,58.42 ; D123.B5 98.52,58.42 ; D123.B5 99.33,59.23 ; D123.B5 99.33,57.61 ; D231.B11 31.56,370.84 ; D231.B11 29.94,370.84 ; D231.B11 30.75,371.65 ; D231.B11 30.75,370.03 ; D108.B15 272.86,38.1 ; D108.B15 271.24,38.1 ; D108.B15 272.05,37.29 ; D108.B15 272.05,38.91 ; 114.57,72.85 D122.A11 ; D122.A11 114.57,74.47 ; D122.A11 113.76,73.66 ; D122.A11 115.38,73.66 ; D231.B13 26.48,370.84 ; D231.B13 24.86,370.84 ; D231.B13 25.67,370.03 ; D231.B13 25.67,371.65 ; UHC430.G2_4 47.83,364.51 ; UHC430.G2_4 47.83,362.89 ; UHC430.G2_4 47.02,363.7 ; UHC430.G2_4 48.64,363.7 ; 99.33,32.21 D124.A5 ; D124.A5 99.33,33.83 ; D124.A5 98.52,33.02 ; D124.A5 100.14,33.02 ; D227.B6 117.11,369.11 ; D227.B6 117.92,368.3 ; D227.B6 117.11,367.49 ; D227.B6 116.3,368.3 ; D432.B3 51.88,401.32 ; D432.B3 51.07,400.51 ; D432.B3 51.07,402.13 ; D432.B3 50.26,401.32 ; 239.03,392.89 D112.A16 ; D112.A16 238.22,393.7 ; D112.A16 239.84,393.7 ; D112.A16 239.03,394.51 ; 106.95,367.49 D227.B10 ; D227.B10 106.95,369.11 ; D227.B10 107.76,368.3 ; D227.B10 106.14,368.3 ; D427.A1 129.81,386.89 ; D427.A1 129.81,385.27 ; D427.A1 130.62,386.08 ; D427.A1 129,386.08 ; 249.19,367.49 D111.B12 ; D111.B12 250,368.3 ; D111.B12 248.38,368.3 ; D111.B12 249.19,369.11 ; 169.64,373.38 D115.A14 ; D115.A14 170.45,372.57 ; D115.A14 171.26,373.38 ; D115.A14 170.45,374.19 ; D427.A2 127.27,384.35 ; D427.A2 128.08,383.54 ; D427.A2 127.27,382.73 ; D427.A2 126.46,383.54 ; 35.83,405.59 D432.A9 ; D432.A9 36.64,406.4 ; D432.A9 35.83,407.21 ; D432.A9 35.02,406.4 ; D106.A12 264.43,77.01 ; D106.A12 264.43,75.39 ; D106.A12 263.62,76.2 ; D106.A12 265.24,76.2 ; 195.85,95.71 D101.A14 ; D101.A14 195.04,96.52 ; D101.A14 196.66,96.52 ; D101.A14 195.85,97.33 ; 241.57,375.11 D111.A15 ; D111.A15 240.76,375.92 ; D111.A15 241.57,376.73 ; D111.A15 242.38,375.92 ; 192.5,99.06 D101.B13 ; D101.B13 194.12,99.06 ; D101.B13 193.31,98.25 ; D101.B13 193.31,99.87 ; 268.7,393.7 D112.A4 ; D112.A4 270.32,393.7 ; D112.A4 269.51,394.51 ; D112.A4 269.51,392.89 ; 197.58,38.1 D104.B15 ; D104.B15 199.2,38.1 ; D104.B15 198.39,37.29 ; D104.B15 198.39,38.91 ; D232.A9 35.83,397.05 ; D232.A9 35.83,395.43 ; D232.A9 36.64,396.24 ; D232.A9 35.02,396.24 ; DPS3.A01 89.98,13.97 ; DPS3.A01 89.17,14.78 ; DPS3.A01 89.17,13.16 ; DPS3.A01 88.36,13.97 ; D104.A12 191.58,35.56 ; D104.A12 189.96,35.56 ; D104.A12 190.77,36.37 ; D104.A12 190.77,34.75 ; D113.B2 201.74,327.66 ; D113.B2 200.12,327.66 ; D113.B2 200.93,328.47 ; D113.B2 200.93,326.85 ; 119.65,385.27 D427.A5 ; D427.A5 118.84,386.08 ; D427.A5 120.46,386.08 ; D427.A5 119.65,386.89 ; 261.89,72.85 D106.A11 ; D106.A11 262.7,73.66 ; D106.A11 261.89,74.47 ; D106.A11 261.08,73.66 ; 15.51,370.03 D231.B17 ; D231.B17 16.32,370.84 ; D231.B17 15.51,371.65 ; D231.B17 14.7,370.84 ; 184.88,76.2 D102.A10 ; D102.A10 186.5,76.2 ; D102.A10 185.69,77.01 ; D102.A10 185.69,75.39 ; D123.B4 97.6,60.96 ; D123.B4 96.79,60.15 ; D123.B4 96.79,61.77 ; D123.B4 95.98,60.96 ; 112.03,95.71 D121.A10 ; D121.A10 112.03,97.33 ; D121.A10 111.22,96.52 ; D121.A10 112.84,96.52 ; D122.B3 95.06,78.74 ; D122.B3 94.25,77.93 ; D122.B3 93.44,78.74 ; D122.B3 94.25,79.55 ; 271.24,370.84 D111.B3 ; D111.B3 272.05,370.03 ; D111.B3 272.86,370.84 ; D111.B3 272.05,371.65 ; D119.B10 39.18,60.96 ; D119.B10 37.56,60.96 ; D119.B10 38.37,61.77 ; D119.B10 38.37,60.15 ; 190.77,347.17 D114.B6 ; D114.B6 189.96,347.98 ; D114.B6 190.77,348.79 ; D114.B6 191.58,347.98 ; 269.51,367.49 D111.B4 ; D111.B4 269.51,369.11 ; D111.B4 270.32,368.3 ; D111.B4 268.7,368.3 ; D124.A16 127.27,36.37 ; D124.A16 126.46,35.56 ; D124.A16 128.08,35.56 ; D124.A16 127.27,34.75 ; 192.5,73.66 D102.A13 ; D102.A13 193.31,72.85 ; D102.A13 194.12,73.66 ; D102.A13 193.31,74.47 ; D105.B12 265.24,101.6 ; D105.B12 264.43,100.79 ; D105.B12 264.43,102.41 ; D105.B12 263.62,101.6 ; 119.65,380.19 D427.B5 ; D427.B5 120.46,381 ; D427.B5 118.84,381 ; D427.B5 119.65,381.81 ; 117.11,372.57 D227.A6 ; D227.A6 117.92,373.38 ; D227.A6 116.3,373.38 ; D227.A6 117.11,374.19 ; UHC430.G2_12 46.68,359.26 ; UHC430.G2_12 45.87,358.45 ; UHC430.G2_12 46.68,357.64 ; UHC430.G2_12 47.49,358.45 ; 266.16,33.02 D108.A13 ; D108.A13 267.78,33.02 ; D108.A13 266.97,33.83 ; D108.A13 266.97,32.21 ; DPS3.A11 114.57,14.78 ; DPS3.A11 114.57,13.16 ; DPS3.A11 113.76,13.97 ; DPS3.A11 115.38,13.97 ; 109.49,370.03 D227.B9 ; D227.B9 109.49,371.65 ; D227.B9 110.3,370.84 ; D227.B9 108.68,370.84 ; 117.11,34.75 D124.A12 ; D124.A12 117.92,35.56 ; D124.A12 116.3,35.56 ; D124.A12 117.11,36.37 ; CSDPS425.C1 130.62,340.36 ; CSDPS425.C1 129.81,339.55 ; CSDPS425.C1 129,340.36 ; CSDPS425.C1 129.81,341.17 ; D124.B4 97.6,40.64 ; D124.B4 96.79,39.83 ; D124.B4 95.98,40.64 ; D124.B4 96.79,41.45 ; 277.13,375.11 D111.A1 ; D111.A1 277.94,375.92 ; D111.A1 277.13,376.73 ; D111.A1 276.32,375.92 ; 258.54,101.6 D105.B10 ; D105.B10 259.35,100.79 ; D105.B10 260.16,101.6 ; D105.B10 259.35,102.41 ; D227.B16 92.52,368.3 ; D227.B16 91.71,369.11 ; D227.B16 90.9,368.3 ; D227.B16 91.71,367.49 ; 45.53,349.23 UHC230.G3_10 ; UHC230.G3_10 46.34,350.04 ; UHC230.G3_10 44.72,350.04 ; UHC230.G3_10 45.53,350.85 ; 198.39,354.79 D114.A3 ; D114.A3 198.39,356.41 ; D114.A3 197.58,355.6 ; D114.A3 199.2,355.6 ; 179.8,347.98 D114.B10 ; D114.B10 180.61,348.79 ; D114.B10 181.42,347.98 ; D114.B10 180.61,347.17 ; D231.B7 40.91,371.65 ; D231.B7 40.1,370.84 ; D231.B7 40.91,370.03 ; D231.B7 41.72,370.84 ; 104.41,370.03 D227.B11 ; D227.B11 104.41,371.65 ; D227.B11 103.6,370.84 ; D227.B11 105.22,370.84 ; 197.58,58.42 D103.B15 ; D103.B15 198.39,59.23 ; D103.B15 198.39,57.61 ; D103.B15 199.2,58.42 ; 192.5,330.2 D113.B5 ; D113.B5 194.12,330.2 ; D113.B5 193.31,329.39 ; D113.B5 193.31,331.01 ; 16.07,361.95 UHC430.G1 ; UHC430.G1 16.88,362.76 ; UHC430.G1 16.88,361.14 ; UHC430.G1 17.69,361.95 ; D104.A9 183.96,33.02 ; D104.A9 182.34,33.02 ; D104.A9 183.15,33.83 ; D104.A9 183.15,32.21 ; 29.94,412.75 DPS8.B11 ; DPS8.B11 31.56,412.75 ; DPS8.B11 30.75,411.94 ; DPS8.B11 30.75,413.56 ; 32.48,388.62 D232.B10 ; D232.B10 33.29,387.81 ; D232.B10 34.1,388.62 ; D232.B10 33.29,389.43 ; 95.98,393.7 D228.A14 ; D228.A14 97.6,393.7 ; D228.A14 96.79,392.89 ; D228.A14 96.79,394.51 ; D432.B16 18.86,398.78 ; D432.B16 18.05,397.97 ; D432.B16 18.05,399.59 ; D432.B16 17.24,398.78 ; CSDPS225.C1 130.62,330.2 ; CSDPS225.C1 129,330.2 ; CSDPS225.C1 129.81,331.01 ; CSDPS225.C1 129.81,329.39 ; 244.11,39.83 D108.B4 ; D108.B4 244.11,41.45 ; D108.B4 243.3,40.64 ; D108.B4 244.92,40.64 ; 37.56,393.7 D232.A8 ; D232.A8 38.37,392.89 ; D232.A8 39.18,393.7 ; D232.A8 38.37,394.51 ; 91.71,392.89 D228.A16 ; D228.A16 92.52,393.7 ; D228.A16 91.71,394.51 ; D228.A16 90.9,393.7 ; CSDPS226.C9 110.3,350.52 ; CSDPS226.C9 108.68,350.52 ; CSDPS226.C9 109.49,349.71 ; CSDPS226.C9 109.49,351.33 ; 106.14,353.06 CSDPS226.B10 ; CSDPS226.B10 106.95,353.87 ; CSDPS226.B10 106.95,352.25 ; CSDPS226.B10 107.76,353.06 ; 94.25,98.25 D121.B3 ; D121.B3 94.25,99.87 ; D121.B3 93.44,99.06 ; D121.B3 95.06,99.06 ; 101.06,55.88 D123.A6 ; D123.A6 102.68,55.88 ; D123.A6 101.87,55.07 ; D123.A6 101.87,56.69 ; D428.B8 112.84,398.78 ; D428.B8 112.03,399.59 ; D428.B8 112.03,397.97 ; D428.B8 111.22,398.78 ; D104.A13 194.12,33.02 ; D104.A13 192.5,33.02 ; D104.A13 193.31,33.83 ; D104.A13 193.31,32.21 ; 162.02,38.1 D104.B1 ; D104.B1 162.83,38.91 ; D104.B1 163.64,38.1 ; D104.B1 162.83,37.29 ; 243.3,347.98 D110.B14 ; D110.B14 244.92,347.98 ; D110.B14 244.11,347.17 ; D110.B14 244.11,348.79 ; 126.46,55.88 D123.A16 ; D123.A16 127.27,56.69 ; D123.A16 128.08,55.88 ; D123.A16 127.27,55.07 ; D115.B5 194.12,370.84 ; D115.B5 193.31,370.03 ; D115.B5 192.5,370.84 ; D115.B5 193.31,371.65 ; D106.B14 270.32,81.28 ; D106.B14 269.51,82.09 ; D106.B14 269.51,80.47 ; D106.B14 268.7,81.28 ; D112.A10 254.27,394.51 ; D112.A10 253.46,393.7 ; D112.A10 255.08,393.7 ; D112.A10 254.27,392.89 ; D113.A14 170.45,333.55 ; D113.A14 170.45,331.93 ; D113.A14 171.26,332.74 ; D113.A14 169.64,332.74 ; 22.32,388.62 D232.B14 ; D232.B14 23.13,387.81 ; D232.B14 23.94,388.62 ; D232.B14 23.13,389.43 ; D121.A4 96.79,97.33 ; D121.A4 95.98,96.52 ; D121.A4 96.79,95.71 ; D121.A4 97.6,96.52 ; UHC230.G4_13 14.58,349.1 ; UHC230.G4_13 13.77,348.29 ; UHC230.G4_13 15.39,348.29 ; UHC230.G4_13 14.58,347.48 ; CSDPS429.C7 40.91,341.17 ; CSDPS429.C7 41.72,340.36 ; CSDPS429.C7 40.91,339.55 ; CSDPS429.C7 40.1,340.36 ; D118.A7 30.75,74.47 ; D118.A7 30.75,72.85 ; D118.A7 29.94,73.66 ; D118.A7 31.56,73.66 ; D110.A1 277.13,356.41 ; D110.A1 276.32,355.6 ; D110.A1 277.13,354.79 ; D110.A1 277.94,355.6 ; D111.B8 260.16,368.3 ; D111.B8 258.54,368.3 ; D111.B8 259.35,369.11 ; D111.B8 259.35,367.49 ; 170.45,387.81 D116.B14 ; D116.B14 169.64,388.62 ; D116.B14 170.45,389.43 ; D116.B14 171.26,388.62 ; UHC230.G4_12 16.88,349.1 ; UHC230.G4_12 17.69,348.29 ; UHC230.G4_12 16.88,347.48 ; UHC230.G4_12 16.07,348.29 ; 190.77,331.93 D113.A6 ; D113.A6 189.96,332.74 ; D113.A6 190.77,333.55 ; D113.A6 191.58,332.74 ; CSDPS426.B12 101.87,364.03 ; CSDPS426.B12 101.06,363.22 ; CSDPS426.B12 